# Allegro board belt-box-dvt3-0706pm14.brd (continued)
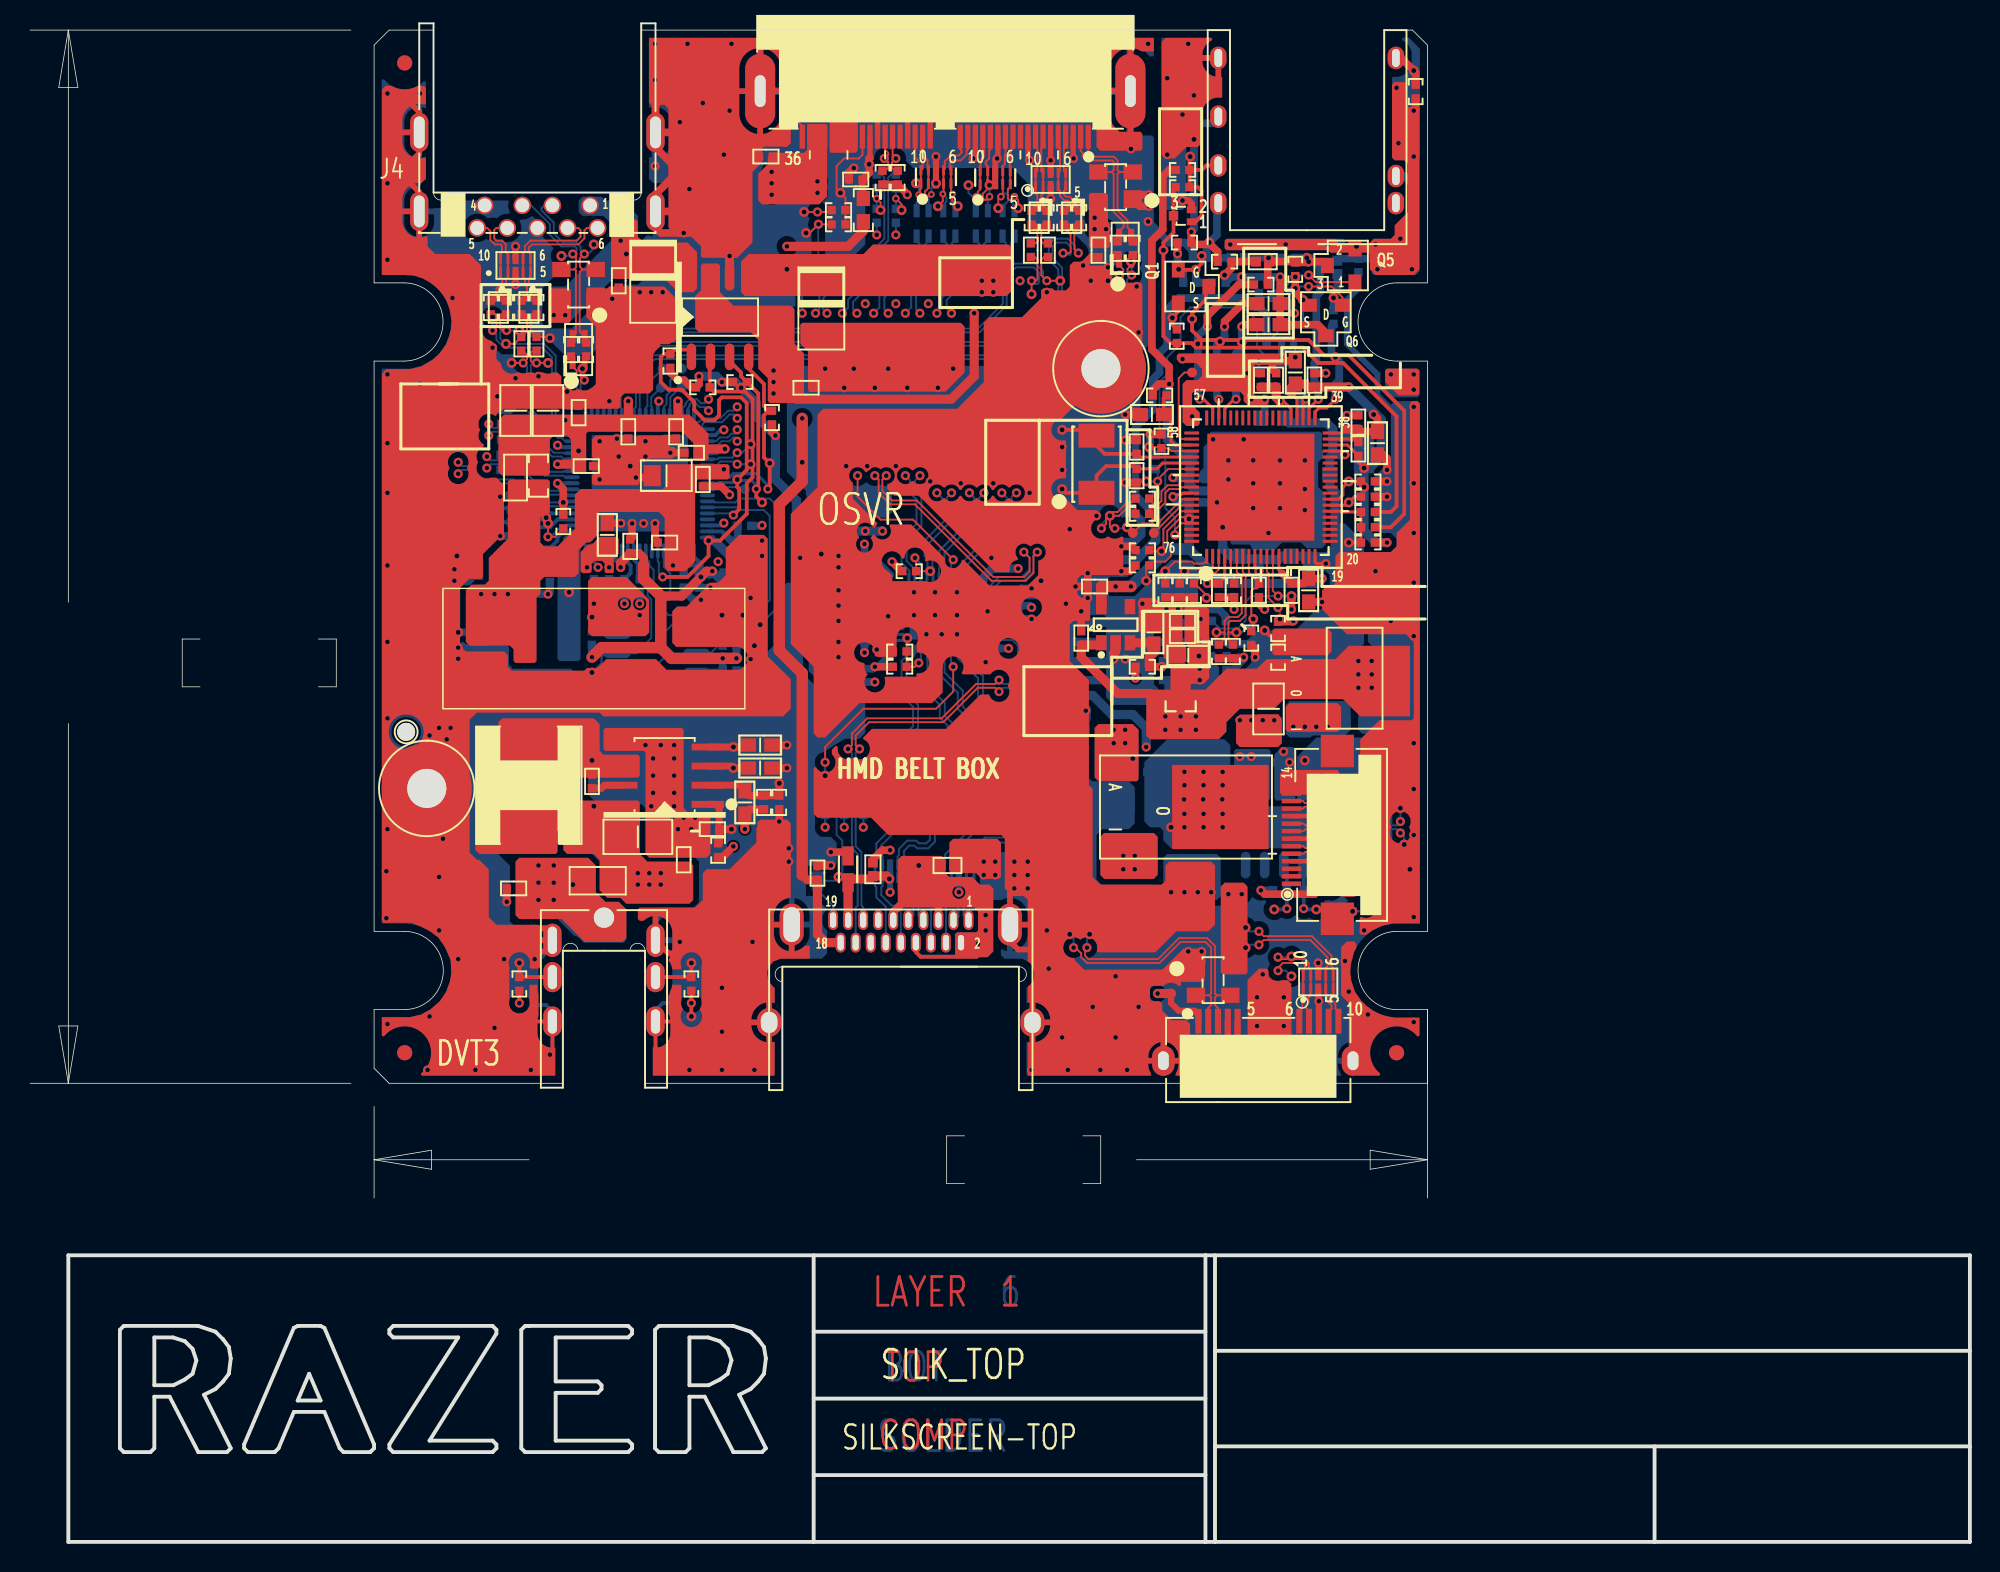
[diagram p0: board, top side]
## Routing (per net, layer and track width the routed paths; a pad name or vN(x,y) marks a point on that pad's centre or on a via; arc(x,y) is an arc through that point) (continued)
HUB_RXP4: length 81.6
  IN2 w0.127: v1(91.06,47.12) 90.8,47.37 90.32,47.37 89.92,47.77 89.92,49.93 86.76,53.09 80.29,53.09 77.11,56.26 69.11,56.26 68.71,56.66 68.71,57.15 69.09,57.53 70.85,57.53 71.1,57.78 71.1,58.08 70.89,58.29 68.33,58.29 67.94,58.67 67.94,59.18 68.33,59.56 73.84,59.56 74.04,59.77 74.04,60.22 73.81,60.45 68.45,60.45 67.69,61.21 67.69,66.06 66.19,67.56 59.08,67.56 57.81,68.83 52.85,68.83 50.19,71.5 49.55,71.5 47.65,73.41 47.24,73.41 v1(46.99,73.15)
  BOTTOM w0.127: v2(91.31,46.36) 91.31,46.86 v1(91.06,47.12) 90.8,47.37 90.53,47.37 90.25,47.09 R95.1 ; v1(46.99,73.15) 46.99,73.28 46.86,73.41 46.71,73.41 46.46,73.15 45.95,73.15 45.55,72.76 U7.42
HUB_TX1_CON_N: length 9.3
  TOP w0.127: R48.2 32.7,82.5 L6.4 33.02,82.82 33.02,83.43 32.89,83.55 32.89,83.94 32.76,84.07 U10.4 U10.7 32.76,85.6 32.88,85.72 32.88,86.13 33.24,86.49 36.32,86.49 36.58,86.75 36.58,87.17 36.43,87.33 J4.8
HUB_TX1_CON_P: length 9.3
  TOP w0.127: R50.2 33.59,82.5 L6.1 33.27,82.82 33.27,83.53 33.15,83.66 33.15,83.95 33.26,84.06 U10.5 U10.6 33.26,85.6 33.14,85.72 33.14,86.02 33.34,86.23 36.43,86.23 36.84,86.64 36.84,87.17 36.99,87.33 J4.9
HUB_TX2_CON_N: length 5.3
  TOP w0.127: R11.2 67.5,88.47 L2.1 67.19,88.77 67.19,89.49 67.32,89.61 U4.2 U4.9 67.19,91.11 67.19,92.58 67.32,92.71 J2.7
HUB_TX2_CON_P: length 5.3
  TOP w0.127: J2.8 66.81,92.71 66.94,92.59 66.94,91.11 U4.10 U4.1 66.82,89.61 66.94,89.49 66.94,88.8 L2.4 66.61,88.47 R19.2
HUB_TX4_CON_N: length 6.3
  TOP w0.127: v1(85.98,46.36) 85.74,46.12 84.75,46.12 84.63,46.24 J23.6
  BOTTOM w0.127: v1(85.98,46.36) 86.23,46.1 86.49,46.1 86.62,46.24 U22.7 U22.4 87.75,46.24 87.88,46.1 88.39,46.1 88.9,45.59 89.1,45.59 89.33,45.82 R92.2
HUB_TX4_CON_P: length 6.3
  TOP w0.127: J23.5 84.63,45.74 84.75,45.86 85.66,45.86 v1(85.98,45.59)
  BOTTOM w0.127: v1(85.98,45.59) 86.23,45.85 86.49,45.85 86.6,45.74 U22.6 U22.5 87.8,45.85 88.29,45.85 88.79,45.34 89.15,45.34 89.33,45.16 R93.2
HUB_TXN1: length 10.3
  TOP w0.127: v2(32,78.36) v1(32.77,78.36) 33.02,78.61 33.02,78.89 32.74,79.17 C45.1
  BOTTOM w0.127: v1(32.77,78.36) 33.02,78.11 33.02,75.18 33.78,74.42 33.78,73.05 34.69,72.14 35.31,72.14 35.48,71.96 U7.14
HUB_TXN2: length 40.9
  TOP w0.127: C16.1 67.39,85.39 67.2,85.2 67.2,84.19 v1(67.56,83.82) v2(68.45,83.82)
  BOTTOM w0.127: U7.22 37.71,75.44 37.73,75.46 37.73,78.5 39.88,80.64 62.99,80.64 64.64,82.3 64.64,84.2 65.41,84.96 66.8,84.96 67.31,84.45 67.31,84.07 v1(67.56,83.82)
HUB_TXN3: length 3.6
  BOTTOM w0.127: TP7.1 41.27,77.22 41.27,76.71 41.02,76.45 41.02,75.49 40.91,75.38 U7.30
HUB_TXN4: length 80.1
  IN2 w0.127: v1(88.77,42.16) 88.52,42.42 87.35,42.42 86.21,41.27 82.57,41.27 82.19,41.66 72.79,41.66 69.6,44.85 69.6,52.6 65.79,56.41 65.79,59.56 64.26,61.09 64.26,62.23 62.1,64.39 55.88,64.39 53.47,66.8 50.69,66.8 48.66,68.83 45.21,68.83 43.81,70.23 43.81,73.79 44.7,74.68 45.72,74.68 46.1,75.06 46.61,75.06 v1(46.99,75.44)
  BOTTOM w0.127: v2(87.88,41.91) 88.52,41.91 v1(88.77,42.16) 89.03,42.42 89.67,42.42 90.05,42.04 90.81,42.04 91.19,42.42 91.19,42.72 C98.1 ; v1(46.99,75.44) 46.74,75.18 46.38,75.18 45.87,74.68 44.7,74.68 44.48,74.45 44.22,74.45 44.11,74.56 U7.38
HUB_TXP1: length 10.3
  TOP w0.127: v2(34.42,78.36) v1(33.66,78.36) 33.4,78.36 33.27,78.49 33.27,79.04 33.4,79.17 C46.1
  BOTTOM w0.127: U7.15 35.47,72.36 35.43,72.39 34.8,72.39 34.04,73.15 34.04,74.53 33.27,75.29 33.27,78.21 33.43,78.36 v1(33.66,78.36)
HUB_TXP2: length 40.9
  TOP w0.127: C17.1 66.75,85.39 66.94,85.2 66.94,83.91 66.85,83.82 v1(66.55,83.82) v2(66.55,82.93)
  BOTTOM w0.127: v1(66.55,83.82) 66.75,83.62 66.95,83.62 67.06,83.72 67.06,84.35 66.7,84.71 65.51,84.71 64.9,84.1 64.9,82.19 63.1,80.39 39.98,80.39 37.99,78.39 37.99,75.45 38.11,75.33 U7.23
HUB_TXP3: length 2.1
  BOTTOM w0.127: U7.31 41.31,75.44 41.27,75.48 41.27,76.07 TP8.1
HUB_TXP4: length 80.1
  IN2 w0.127: v1(46.99,74.68) 46.86,74.8 46.21,74.8 45.83,74.42 44.81,74.42 44.07,73.68 44.07,70.34 45.32,69.09 48.77,69.09 50.8,67.06 53.57,67.06 55.99,64.64 62.21,64.64 64.52,62.34 64.52,61.19 66.04,59.67 66.04,56.52 69.85,52.7 69.85,44.96 72.9,41.91 82.3,41.91 82.68,41.53 86.11,41.53 87.25,42.67 88.65,42.67 88.77,42.8 v1(88.77,43.13)
  BOTTOM w0.127: C99.1 90.42,43.31 90.53,43.41 90.83,43.41 90.93,43.31 90.93,42.52 90.7,42.29 90.16,42.29 89.78,42.67 88.9,42.67 88.77,42.8 v1(88.77,43.13) 88.6,43.31 v2(87.88,43.31) ; v1(46.99,74.68) 46.74,74.93 46.48,74.93 45.97,74.42 44.81,74.42 44.68,74.29 44.68,74.04 44.76,73.96 U7.39
I2C_CLT_EN: length 3.8
  TOP w0.127: v2(58.29,60.07) 58.24,60.02 R23.1 R16.2 58.8,58.17 v1(59.05,58.42)
  BOTTOM w0.127: v1(59.05,58.42) 59.2,58.56 U1.8
I2C_CSN: length 5.7
  TOP w0.127: R63.1 81.28,60.66 v2(81.28,61.34) 81.15,61.47 81.15,63.2 81.33,63.37 81.53,63.37 81.66,63.5 C94.2 81.66,63.75 80.99,64.43 U11.8
I2C_EN: length 1.9
  TOP w0.127: R67.2 80.01,64.17 79.79,64.4 U11.5
I2C_SCL: length 7.5
  TOP w0.127: U11.6 80.19,64.46 80.52,64.14 80.52,61.72 80.26,61.47 79.63,61.47 79.38,61.21 79.38,60.45 ; 79.38,60.45 v2(78.84,60.45) ; 79.38,60.45 79.38,60.02 R66.2
I2C_SDA: length 7.4
  TOP w0.127: 79.63,60.45 79.63,59.94 R65.2 ; 79.63,60.45 79.63,61.09 79.76,61.21 80.39,61.21 80.77,61.59 80.77,64.26 80.59,64.45 U11.7 ; 79.63,60.45 v2(80.16,60.45)
ISET: length 6.7
  BOTTOM w0.178: 64.82,62.74 66.93,62.74 67.18,62.99 v2(67.18,63.88) ; 64.82,62.74 R17.2 64.21,62.23 64.01,62.43 63.23,62.43 63.12,62.32 U1.34 ; 64.82,62.74 R24.1
MIC1_L: length 7.7
  TOP w0.203: U11.54 79.39,75.32 80.01,75.95 v1(80.14,75.95)
  TOP w0.508: v1(80.52,80.77) 80.64,80.9 C77.2
  BOTTOM w0.508: v1(80.52,80.77) v2(80.52,79.76) 80.52,79.38 80.14,78.99 v1(80.14,75.95)
MIC1_MIX: length 10.2
  TOP w0.508: Q6.D 85.57,80.9 C77.1 C78.1 v1(83.07,84.07)
  BOTTOM w0.508: v1(83.07,84.07) v2(80.52,84.07) 79.83,84.07 R82.1
MIC1_MIX_FB: length 2.7
  TOP w0.508: FB1.2 R75.1 79.83,84.66 v2(79.38,84.2)
MIC1_MIX_R: length 5.6
  TOP w0.508: R74.1 82.25,84.97 FB1.1 84.02,85.09 R77.1 84.91,85.04 v2(84.96,85.09) 85.95,85.09 Q5.3
MIC1_R: length 9.3
  TOP w0.203: U11.55 78.99,74.71 v1(78.99,75.95)
  TOP w0.508: v1(79.38,80.77) 79.38,81.11 80.56,82.3 C78.2
  BOTTOM w0.508: v1(78.99,75.95) 78.87,76.07 78.87,79.58 v2(79.07,79.78) 79.38,80.09 v1(79.38,80.77)
MIC1_VREFOUT_L: length 11.6
  TOP w0.203: v1(77.72,75.95) 77.98,75.95 78.59,75.34 U11.56
  TOP w0.508: v1(78.23,80.77) 78.23,81.48 80.31,83.57 R74.2
  BOTTOM w0.508: v1(78.23,80.77) 77.6,80.14 v2(77.6,79.63) 77.6,76.07 v1(77.72,75.95)
MIC1_VREFOUT_R: length 5.8
  TOP w0.127: TP3.1 76.71,77.72 76.33,77.34 76.33,73.48 76.5,73.3 U11.59
MIC_JD#: length 28.8
  TOP w0.254: Q1.D 78.13,82.58 77.22,81.66 v2(77.22,81.28) 77.22,80.52 77.85,79.88 84.96,79.88 85.98,78.87 87.63,78.87 91.31,75.18 91.31,68.33 90.42,67.44 R70.2
MIC_MIX: length 12.5
  TOP w0.508: v1(77.17,87.07) R76.1 77.29,86.23 78.44,86.23 78.92,85.75 R75.2
  BOTTOM w0.508: v1(77.17,87.07) 77.34,87.25 v2(77.34,93.22) R78.2 78.51,94.28 J6.4
NVMCLK: length 13.9
  TOP w0.127: U11.11 82.19,64.5 82.3,64.39 82.3,62.74 v1(82.93,62.1)
  BOTTOM w0.127: v2(83.06,61.34) 83.06,61.98 v1(82.93,62.1) 82.55,62.48 81.41,62.48 81.15,62.23 81.15,61.09 80.39,60.33 79.04,60.33 R283.1 78.03,60.33 77.22,60.33 76.71,59.82 75.88,59.82
NVMDAT: length 12.9
  TOP w0.127: U11.12 82.59,64.73 82.58,64.72 82.58,63.22 v1(82.93,62.86)
  BOTTOM w0.127: v2(83.82,62.86) v1(82.93,62.86) 81.15,62.86 80.77,62.48 80.77,61.21 80.26,60.71 79.04,60.71 R282.1 78.03,60.71 77.22,60.71 76.84,61.09 U13.5
OVCUR1#: length 22.8
  TOP w0.254: U8.2 45.16,78.71 R44.2 45.44,76.45 47.5,76.45 48.01,75.95 48.01,70.74 47.62,70.36 47.62,68.33 45.85,66.55 v2(45.09,66.55) 45.09,65.53 43.69,64.14 v1(42.04,64.14)
  BOTTOM w0.127: U7.64 41.71,65.15 41.78,65.08 41.78,64.39 v1(42.04,64.14)
OVCUR2#: length 14.4
  TOP w0.254: v2(48.64,69.09) 48.26,69.47 v1(48.26,69.98) 48.39,70.1 48.39,76.33 R43.2 47.24,77.47 47.24,77.72 46.48,78.49 U8.3
  BOTTOM w0.203: v1(48.26,69.98) 48.26,70.23 47.94,70.55 46.93,70.55 46.79,70.41 45.77,70.41 45.72,70.36 U7.48
OVCUR4#: length 62.2
  IN1 w0.254: v1(46.1,67.72) 46.74,67.08 46.74,61.98 51.82,56.9 51.82,47.24 52.32,46.74 56.39,46.74 57.02,47.37 68.33,47.37 73.53,42.16 83.44,42.16 v1(83.52,42.09)
  BOTTOM w0.254: U7.55 45.94,67.56 v1(46.1,67.72) ; U20.2 83.52,44.78 R83.2 v1(83.52,42.09) 83.46,42.04 v2(82.68,42.04)
P_SPI_CK: length 17.9
  BOTTOM w0.127: 44.3,60.33 45.34,60.33 45.52,60.5 48.06,60.5 v2(48.51,60.96) 49.78,62.23 49.78,68.71 49.15,69.34 47.12,69.34 46.86,69.09 45.49,69.09 45.42,69.16 U7.51
P_SPI_CZ: length 23.1
  BOTTOM w0.127: U6.1 41.15,57.78 42.16,58.8 42.16,60.45 42.67,60.96 46.74,60.96 v2(47.37,61.59) 48.13,61.59 49.15,62.61 49.15,68.2 48.77,68.58 47.3,68.58 47.12,68.76 U7.52
P_SPI_DI: length 11.2
  BOTTOM w0.127: U7.67 40.51,65.41 40.77,65.15 40.77,64.64 41.04,64.37 41.04,62.86 41.27,62.63 41.27,60.07 40.26,59.05 U6.2 38.23,59.05 37.97,58.8 37.97,58.42 v2(37.34,57.78)
P_SPI_DO: length 8.4
  BOTTOM w0.127: v2(45.97,61.59) U6.5 42.42,61.59 41.78,62.23 41.78,62.86 41.43,63.21 41.43,64.61 41.15,64.9 41.15,65.15 40.91,65.39 U7.66
PGANG: length 1.6
  BOTTOM w0.254: R37.1 43.31,64.46 U7.60
PRE: length 5.5
  BOTTOM w0.127: R15.2 53.42,61.72 55.12,61.72 55.45,62.05 R22.1 56.01,62.23 56.21,62.03 57.3,62.03 57.4,61.92 U1.16
PSELF: length 2
  BOTTOM w0.254: R33.2 40.39,64.11 40.39,65.02 40.11,65.3 U7.68
PWREN1#: length 22.4
  TOP w0.254: U8.1 43.94,79.12 43.81,79.25 42.85,79.25 R45.2 42.11,78.94 41.91,78.74 41.91,77.09 42.42,76.58 43.31,76.58 44.13,75.76 44.13,75.25 44.83,74.55 45.47,74.55 45.78,74.87 45.78,75.88 45.97,76.07 47.24,76.07 47.62,75.69 47.62,71.25 v2(46.99,70.61) 46.99,70.1 47.12,69.98 47.12,68.63 v1(46.74,68.25)
  BOTTOM w0.127: U7.53 46.63,68.36 v1(46.74,68.25)
PWREN2#: length 14.6
  TOP w0.254: v1(49.02,69.98) 49.15,70.1 v2(49.15,71.69) 48.77,72.07 48.77,74.88 49.07,75.18 ; U8.4 47.75,77.98 48.77,76.96 48.77,75.49 49.07,75.18 ; 49.07,75.18 R42.2
  BOTTOM w0.203: U7.47 46.48,70.76 46.72,70.99 48.26,70.99 49.02,70.23 v1(49.02,69.98)
PWREN3#: length 2.6
  BOTTOM w0.127: U7.49 45.95,69.96 46.09,70.1 47.37,70.1 TP6.1
PWREN4#: length 71
  IN1 w0.254: v1(37.74,64.77) 37.74,64.36 38.1,64.01 41.02,64.01 44.7,60.33 47.5,60.33 51.05,56.77 51.05,45.97 52.7,44.32 55.63,44.32 56.52,45.21 57.4,45.21 59.05,46.86 68.07,46.86 73.66,41.27 82.17,41.27 82.55,40.89 83.44,40.89 v1(84.63,42.09)
  BOTTOM w0.254: U20.1 84.63,44.93 R81.2 v1(84.63,42.09) 84.68,42.04 v2(85.47,42.04) ; U7.75 37.31,65.3 37.74,64.87 v1(37.74,64.77)
RESET#: length 4.2
  BOTTOM w0.254: U7.69 39.71,65.09 39.91,64.89 39.91,64.39 R35.2 R40.1 C40.1
RST_N: length 4.8
  TOP w0.203: U11.60 76.07,72.9 75.82,73.15 75.82,74.43 C50.1
  TOP w0.254: C50.1 75.32,76.01 R54.1
RTERM: length 4
  TOP w0.127: R38.1 34.87,66.8 v1(34.42,66.8) v2(34.42,67.69)
  BOTTOM w0.127: v1(34.42,66.8) 34.59,66.8 35.35,67.56 U7.3
SENSE_A: length 4.9
  TOP w0.203: U11.25 87.25,68.5 87.3,68.45 R71.1 R70.1 R69.2
  TOP w0.254: v2(87.63,66.42) R69.2
SW:
  vias: v2(35.81,63.12)
SYNC: length 97.3
  TOP w0.127: v1(50.93,95.12) 50.93,94.49 51.31,94.1 J2.36
  TOP w0.254: v2(43.94,34.92) v1(43.94,35.81) R383.2 ; R382.2 v1(32.51,35.81)
  IN1 w0.254: v1(50.93,95.12) 50.93,94.11 47.62,90.81 47.62,85.47 39.05,76.9 38.67,76.9 37.85,76.07 37.85,75.56 36.2,73.91 36.2,64.39 37.08,63.5 37.97,63.5 38.73,62.74 38.73,61.34 40.13,59.94 42.55,59.94 48.26,54.23 48.26,45.21 44.83,41.78 43.94,41.78 ; 43.94,41.78 42.93,42.8 36.96,42.8 36.07,41.91 33.02,41.91 32.51,41.4 v1(32.51,35.81) ; 43.94,41.78 v1(43.94,35.81)
SYNC3: length 3.1
  TOP w0.254: J3.3 34.35,37.54 R382.1 v2(32.51,38.48)
SYNC4: length 3.3
  TOP w0.254: J3.4 41.92,37.54 R383.1 v2(43.94,38.48)
TMDS_GND: length 11.6
  TOP w0.254: 63.37,39.37 62.89,38.89 59.18,38.89 58.86,39.21 J1.8
  TOP w0.508: J1.11 57.36,41.87 57.91,42.42 ; 60.36,42.26 J1.5
  BOTTOM w0.254: 61.98,38.99 61.9,38.91 59.16,38.91 58.86,39.21 J1.8
  vias: v1(62.99,39.75) v1(63.5,41.66) v1(63.5,40.64) v2(59.05,44.96)
USB1+: length 13.6
  TOP w0.127: 36.14,84.57 36.21,84.57 36.27,84.51 36.27,80.32 L7.2 36.05,79.81 R51.1 ; 36.14,84.57 36.28,84.71 36.28,85.39 v1(36.07,85.6) ; 36.14,84.57 U9.3
  BOTTOM w0.127: v2(35.31,85.47) 35.94,85.47 v1(36.07,85.6) 36.32,85.85 36.32,85.98 36.2,86.11 35.31,86.11 34.54,86.87 34.54,87.58 33.29,88.83 J4.3
USB1-: length 13.8
  TOP w0.127: R49.1 36.85,79.81 L7.4 36.53,80.42 36.53,84.4 36.69,84.57 36.72,84.57 ; 36.72,84.57 U9.2 ; 36.72,84.57 36.53,84.75 36.53,85.3 v1(36.83,85.6)
  BOTTOM w0.127: J4.2 34.17,88.83 33.99,88.65 33.99,88.49 34.8,87.68 34.8,86.97 35.41,86.36 36.3,86.36 36.58,86.08 36.58,85.85 v1(36.83,85.6) 37.08,85.6 37.47,85.98 v2(37.47,86.23)
USB2+: length 10.3
  TOP w0.127: R26.1 72.26,86.72 L3.2 72.37,87.1 72.67,87.4 72.67,87.73 72.01,88.39 72.01,90.91 71.87,91.05 ; J2.2 69.81,92.44 69.94,92.32 69.94,92.09 70.21,91.81 71.91,91.81 72.01,91.72 72.01,91.19 71.87,91.05 ; 71.87,91.05 U5.3
USB2-: length 10.3
  TOP w0.127: J2.1 70.32,92.44 70.19,92.32 70.19,92.19 70.32,92.07 72.02,92.07 72.26,91.82 72.26,91.17 72.39,91.05 ; 72.39,91.05 72.38,91.05 72.26,90.93 72.26,88.5 72.92,87.84 72.92,87.37 73.17,87.12 L3.4 73.28,86.72 R20.1 ; 72.39,91.05 U5.2
USB2.0_D+: length 87
  TOP w0.127: U18.3 78.88,36.33 ; 78.88,36.33 78.74,36.2 78.74,35.68 78.94,35.48 J5.3 ; 78.88,36.33 78.85,36.33 78.74,36.45 78.74,39.6 78.21,40.13 76.35,40.13 74.95,38.73 70.34,38.73 70.1,38.97 70.1,39.37 v1(70.23,39.5)
  IN2 w0.127: v1(28.45,71.75) 28.7,71.5 29.08,71.5 30.1,70.48 31.86,70.48 33.63,68.71 36.7,68.71 38.73,66.67 39.62,66.67 40.89,65.41 40.89,63.73 44.68,59.94 48.11,59.94 53.95,54.1 64.13,54.1 67.18,51.05 67.18,43.31 69.98,40.51 69.98,39.75 v1(70.23,39.5)
  BOTTOM w0.127: v1(28.45,71.75) 28.7,71.5 29.21,71.5 30.1,70.61 32.13,70.61 33.66,69.08 35.43,69.08 35.51,69.16 U7.7 ; v1(70.23,39.5) 70.23,40.21 v2(70.41,40.39)
USB2.0_D-: length 87
  TOP w0.127: 78.35,36.33 78.37,36.33 78.49,36.45 78.49,39.5 78.1,39.88 76.45,39.88 75.06,38.48 70.23,38.48 69.85,38.86 69.85,39.12 69.47,39.5 v1(69.34,39.5) ; 78.35,36.33 78.49,36.2 78.49,35.68 78.29,35.48 J5.2 ; 78.35,36.33 U18.2
  IN2 w0.127: v1(28.45,70.99) 28.7,71.25 28.98,71.25 29.99,70.23 31.75,70.23 33.53,68.45 36.6,68.45 38.63,66.42 39.52,66.42 40.64,65.3 40.64,63.63 44.58,59.69 48.01,59.69 53.85,53.85 64.03,53.85 66.93,50.95 66.93,43.2 69.72,40.41 69.72,39.62 69.6,39.5 v1(69.34,39.5)
  BOTTOM w0.127: U7.6 35.51,68.76 35.43,68.83 33.55,68.83 32.03,70.36 29.99,70.36 29.1,71.25 28.7,71.25 v1(28.45,70.99) ; v2(69.09,40.39) 69.34,40.13 v1(69.34,39.5)
USB3.0_RXN: length 83
  TOP w0.127: v1(81.66,39.69) 81.98,40.01 85.08,40.01 86.22,38.86 86.22,38.28 86.1,38.16 U19.7 U19.4 86.1,36.44 86.22,36.32 86.22,35.93 86.49,35.66 86.49,35.43 86.29,35.24 J5.9
  IN2 w0.127: v1(30.48,73.53) 30.73,73.79 32.64,73.79 34.29,72.14 36.45,72.14 37.34,71.25 40.77,71.25 45.97,66.04 46.38,66.04 48.92,63.5 48.92,61.47 54.76,55.63 64.92,55.63 68.71,51.84 68.71,44.34 72.54,40.51 78.25,40.51 78.63,40.13 81.25,40.13 81.66,39.73 v1(81.66,39.69)
  BOTTOM w0.127: v1(81.66,39.69) 80.96,39.69 v2(80.77,39.5) ; v1(30.48,73.53) 30.73,73.79 31.12,73.79 31.29,73.61 R28.1
USB3.0_RXN_R: length 6
  BOTTOM w0.127: U7.11 35.54,70.76 35.43,70.87 34.18,70.87 33.78,71.27 33.78,71.78 32.89,72.67 32.89,73.43 32.66,73.66 32.38,73.66 32.21,73.48 R28.2
USB3.0_RXP: length 83
  TOP w0.127: v1(81.66,40.58) 81.98,40.26 85.18,40.26 86.48,38.97 86.48,38.28 86.6,38.16 U19.6 U19.5 86.6,36.45 86.48,36.33 86.48,36.03 86.74,35.77 86.74,35.43 86.94,35.23 J5.10
  IN2 w0.127: v1(81.66,40.58) 81.47,40.39 78.74,40.39 78.36,40.77 72.64,40.77 68.96,44.45 68.96,51.94 65.02,55.88 54.86,55.88 49.17,61.57 49.17,63.61 46.48,66.29 46.08,66.29 40.87,71.5 37.44,71.5 36.55,72.39 34.4,72.39 32.74,74.04 30.73,74.04 v1(30.48,74.3)
  BOTTOM w0.127: v1(81.66,40.58) 81.02,40.58 v2(80.77,40.83) ; R27.1 31.04,74.04 30.73,74.04 v1(30.48,74.3)
USB3.0_RXP_R: length 6
  BOTTOM w0.127: U7.12 35.47,71.16 35.43,71.12 34.29,71.12 34.04,71.37 34.04,71.88 33.15,72.77 33.15,73.53 32.77,73.91 32.33,73.91 32.21,74.04 R27.2
USB3.0_TXN: length 82.3
  TOP w0.127: v1(82.93,37.97) 82.93,38.16 83.25,38.48 84.6,38.48 84.72,38.36 84.72,38.1 84.6,37.97 U19.10 U19.1 84.6,36.32 84.71,36.21 84.71,35.98 84.54,35.81 84.54,35.52 84.34,35.32 J5.6
  IN2 w0.127: v1(30.35,71.37) 30.61,71.63 32.26,71.63 34.42,69.47 40.66,69.47 43.56,66.57 43.56,62.25 45.23,60.58 48.51,60.58 54.36,54.74 64.54,54.74 67.82,51.46 67.82,43.71 73.17,38.35 82.73,38.35 82.93,38.15 v1(82.93,37.97)
  BOTTOM w0.127: C19.2 31.27,71.5 31.14,71.63 30.61,71.63 v1(30.35,71.37) ; v2(83.82,37.59) 83.44,37.97 v1(82.93,37.97)
USB3.0_TXN_R: length 5.3
  BOTTOM w0.127: C19.1 32.18,71.42 32.38,71.63 32.61,71.63 32.89,71.34 32.89,70.76 34.05,69.61 35.43,69.61 35.48,69.56 U7.8
USB3.0_TXP: length 82.2
  TOP w0.127: v1(82.93,38.86) 83.06,38.73 84.71,38.73 84.97,38.47 84.97,38.1 85.1,37.98 U19.9 U19.2 85.1,36.33 84.96,36.2 84.96,35.88 84.79,35.71 84.79,35.48 84.99,35.28 J5.7
  IN2 w0.127: v1(82.93,38.86) 82.68,38.61 73.28,38.61 68.07,43.81 68.07,51.56 64.64,54.99 54.46,54.99 48.62,60.83 45.34,60.83 43.81,62.36 43.81,66.67 40.77,69.72 34.52,69.72 32.36,71.88 30.61,71.88 v1(30.35,72.14)
  BOTTOM w0.127: v2(83.82,38.91) 83.77,38.86 v1(82.93,38.86) ; C18.2 31.27,72.01 31.14,71.88 30.61,71.88 v1(30.35,72.14)
USB3.0_TXP_R: length 5.3
  BOTTOM w0.127: U7.9 35.53,69.96 35.43,69.86 34.15,69.86 33.15,70.87 33.15,71.45 32.72,71.88 32.44,71.88 32.18,72.14 C18.1
USB3_TX1_C_N: length 3.1
  TOP w0.127: R48.1 32.7,81.58 L6.3 32.87,81.3 33.02,81.15 33.02,80.47 C45.2 32.18,79.63 v2(31.62,79.63)
USB3_TX1_C_P: length 2.8
  TOP w0.127: R50.1 33.59,81.58 L6.2 33.42,81.3 33.27,81.15 33.27,80.47 C46.2 34.47,80.09 v2(34.54,80.01)
USB3_TX2_C_N: length 1.8
  TOP w0.127: C16.2 67.34,86.31 67.2,86.45 67.2,87.25 L2.2 67.5,87.55 R11.1
USB3_TX2_C_P: length 1.8
  TOP w0.127: R19.1 66.61,87.55 L2.3 66.94,87.23 66.94,86.45 66.8,86.31 C17.2
USB3_TX4_C_N: length 3.8
  BOTTOM w0.127: v2(91.69,44.7) 91.69,44.15 C98.2 91.24,43.89 91.06,44.07 91.06,45.47 90.78,45.75 90.47,45.75 R92.1
USB3_TX4_C_P: length 3.9
  BOTTOM w0.127: R93.1 90.25,45.39 90.35,45.49 90.68,45.49 90.8,45.36 90.8,43.97 90.73,43.89 C99.2 89.46,43.89 v2(89.41,43.94)
USB4+: length 3.5
  TOP w0.127: J23.11 84.58,48.74 84.7,48.86 85.76,48.86 v1(85.98,48.65)
  BOTTOM w0.127: v1(85.98,48.65) 86.1,48.77 86.11,48.77 86.24,48.89 86.61,48.89 86.79,48.72 R91.1
USB4-: length 3.5
  TOP w0.127: v1(85.98,49.4) 85.69,49.12 84.7,49.12 84.58,49.24 J23.12
  BOTTOM w0.127: v1(85.98,49.4) 86.23,49.15 86.56,49.15 86.79,49.38 R90.1
USB_DET: length 5.2
  TOP w0.127: U11.64 75.62,71.3 74.93,70.61 v1(74.93,70.48)
  BOTTOM w0.127: R62.2 74.93,71.17 v1(74.93,70.48) ; v1(74.93,70.48) v2(74.17,70.48) ; v1(74.93,70.48) 74.93,69.8 R61.1
USB_PWR1:
  vias: v1(34.8,81.53) v1(35.56,81.53) v1(39.24,87.5) v1(39.24,86.49) v1(39.88,87) v2(39.62,85.6)
USB_PWR2:
  vias: v1(63.25,83.82) v1(63.25,83.06) v1(64.01,83.82) v1(64.01,83.06) v1(70.74,88.01) v1(70.74,87.25) v1(71.5,87.25) v2(50.29,84.58)
USB_PWR4:
  vias: v1(85.34,50.04) v1(85.85,50.93) v1(86.61,50.42) v2(84.71,51.94)
USBP1N_R: length 4.1
  TOP w0.127: R53.2 74.37,68.58 74.5,68.71 75.06,68.71 75.44,69.09 75.44,69.72 75.69,69.98 76.43,69.98 76.56,70.1 U11.67
USBP1P_R: length 4.1
  TOP w0.127: U11.66 76.5,70.5 76.38,70.38 76.38,70.28 76.33,70.23 75.59,70.23 75.18,69.83 75.18,69.19 74.95,68.96 74.68,68.96 74.37,69.27 R52.2
VOLT_MON: length 2.8
  TOP w0.203: R73.2 v2(87.63,70.48) 87.23,70.09 87.23,69.58 86.96,69.3 U11.27
VOLUME: length 2.3
  TOP w0.203: U11.26 87.45,68.9 v2(87.63,69.09) 88.01,69.47 R72.2
WP: length 3.8
  BOTTOM w0.127: U13.7 76.89,58.55 77.22,58.88 v2(77.67,58.88) R80.1 R99.2
X1: length 10.1
  BOTTOM w0.254: U7.4 35.06,67.96 34.54,67.44 33.22,67.44 R39.1 32.92,67.36 32.51,67.77 C39.1 31.48,67.77 31.31,67.95 29.08,67.95 28.36,67.22 Y1.1 28.36,65.7 v2(28.36,65.53)
X2: length 6.7
  BOTTOM w0.254: U7.5 34.58,68.36 v2(34.29,68.07) 34.16,67.95 33.48,67.95 R39.2 32.79,68.63 C41.1 32,68.71 30.4,68.71 Y1.3
XTALIN: length 9.8
  TOP w0.203: U11.62 73.74,72.1 C47.1
  TOP w0.254: v2(68.58,73.91) 70.48,73.91 Y2.2 70.87,72.85 71.41,72.31 C47.1
XTALOUT: length 10.3
  TOP w0.203: C51.1 74.88,71.32 75.26,71.7 U11.63
  TOP w0.254: C51.1 73.36,71.5 71.5,71.5 70.87,70.87 Y2.1 68.83,69.73 v2(68.58,69.98)
N16700423: length 7.2
  BOTTOM w0.127: U1.18 56.53,62.72
  BOTTOM w0.254: 56.53,62.72 56.13,63.12 56.13,63.5 55.75,63.88 53.42,63.88 52.78,64.52 R4.1 52.72,65.52 v2(52.58,65.66)
N16708492: length 1
  TOP w0.254: v2(82.04,60.58) 82.37,60.25 R8.1
N16709232:
  vias: v1(72.01,53.98) v1(72.01,53.09) v1(72.77,53.98) v1(72.77,53.09) v2(73.28,52.07)
N16752922: length 4.6
  BOTTOM w0.127: v2(48.13,59.56) 47.62,60.07 46.23,60.07 46.02,59.87 R29.1 45.72,59.56 45.21,59.05 U6.7
N16752926: length 2.7
  BOTTOM w0.127: 39.01,60.33 37.54,60.33 R30.2 v2(37.34,61.47)
N16752974: length 3.2
  BOTTOM w0.127: U7.63 42.11,64.8 42.55,64.36 42.55,62.99 TP5.1
N16792985: length 3.6
  TOP w0.127: U11.2 78.59,64.82 78.41,64.64 76.84,64.64 v2(76.71,64.52) 76.39,64.2 R59.1
N16793019: length 3.1
  TOP w0.203: v2(88.65,71.37) 88.27,71.75 C73.1 87.55,72.9 U11.36
N16793115: length 2
  TOP w0.203: C73.2 88.06,73.3 U11.37
N16793150: length 4.8
  TOP w0.127: TP1.1 73.91,67.69 74.93,67.69 76.54,69.3 U11.69
N16793205: length 3.6
  TOP w0.203: v2(83.06,75.82) 83.28,75.82 83.79,75.31 U11.43
  TOP w0.61: C61.2 C62.1 82.8,76.07 v2(83.06,75.82)
N16793213: length 3.3
  TOP w0.127: TP2.1 76.52,68.9 U11.70
N16793232: length 4.2
  TOP w0.127: v2(78.17,62.74) 78.17,62.93 77.39,63.7 R58.1 78.03,64.39 78.74,64.39 78.99,64.64 U11.3
N16793236: length 4.6
  TOP w0.203: 87.43,73.96 87.17,73.7 U11.38
  TOP w0.508: C72.1 88.43,73.8 C71.1 89.53,74.68 v2(89.28,74.93)
  TOP w0.61: 87.43,73.96 C72.1
N16793242: length 4.7
  TOP w0.127: U11.71 76.5,68.5 75.31,67.31 75.31,65.98 v2(75.18,65.85) 74.43,65.85 R56.1
N16793251: length 4.2
  TOP w0.127: R60.1 v2(75.44,64.52) 76.07,65.15 77.22,65.15 77.34,65.02 77.98,65.02 78.19,65.23 U11.1
N16793299: length 6.6
  TOP w0.127: v2(74.17,63.88) 74.17,64.69 R57.1 74.63,65.15 75.44,65.15 75.82,65.53 75.82,66.17 75.56,66.42 75.56,67.18 76.49,68.1 U11.72
N16793611: length 3
  TOP w0.127: U11.61 75.84,72.5 75.65,72.69 R55.1 75.11,72.77 v2(74.35,72.77)
N16793759: length 4.1
  TOP w0.508: v2(75.18,58.17) R64.1
  TOP w0.61: U12.3 74.59,59.76 C74.2 74.68,59.11 74.37,58.8 R64.1
N16805452: length 2.5
  TOP w0.508: J6.3 91.11,98.63 v2(91.95,97.79) 92.08,97.66 R79.1
N16805614: length 4.1
  TOP w0.254: Q1.G 77.43,84.54 v1(77.47,84.58) 77.85,84.96 v2(77.85,85.47)
  BOTTOM w0.508: R82.2 C95.2 77.47,83.77 v1(77.47,84.58)
N16805639: length 2
  TOP w0.254: R84.2 75.91,80.89 v2(75.91,81.36) 76.3,81.8 Q1.S
N16817726: length 2.8
  TOP w0.457: C83.1 47.61,52.83 v2(46.74,52.83) U14.4
N16817730: length 2.8
  TOP w0.457: C82.1 v2(46.74,51.44) 46.61,51.56 U14.3
N16817738: length 2
  TOP w0.457: C86.1 37.97,50.09 38.18,50.29 U14.7
N16817757:
  vias: v1(40.39,44.45) v1(40.39,43.69) v1(41.15,44.45) v1(41.15,43.69) v1(41.91,44.45) v1(41.91,43.69) v2(37.47,48.89)
N16817767: length 5.8
  TOP w0.457: C91.2 47.13,50.29 U14.2
  TOP w0.508: C91.2 47.82,49.61 R87.2 R88.1 v2(49.78,50.42)
N16817796: length 4
  TOP w0.457: C85.1 45.8,48.77 45.54,49.02 U14.1
  TOP w0.508: v2(46.61,47.37) C85.1 45.8,46.51 R89.2
N16817821:
  vias: v2(37.34,51.94)
N16854855: length 2.4
  TOP w0.508: R77.2 v2(84.07,83.31) 84.07,83.06 84.94,82.19 Q6.S

## Copper pours and planes (outline as drawn; the poured copper is in the pictures)
+3.3V_VDDO on TOP (solid shape): 78.36,61.98 78.36,57.4 77.98,57.02 75.95,57.02 75.82,57.15 75.82,58.17 75.95,58.29 76.84,58.29 76.96,58.42 76.96,59.56 76.71,59.82 76.71,62.1 76.84,62.23 78.1,62.23
+3.3V_VDDO on BOTTOM (solid shape): 88.65,66.42 88.65,59.69 86.36,57.4 83.95,57.4 81.91,55.37 76.33,55.37 76.2,55.5 76.2,56.64 76.33,56.77 76.84,56.77 76.96,56.9 76.96,57.91 77.34,58.29 78.87,58.29 78.99,58.17 78.99,57.66 79.12,57.53 80.26,57.53 81.15,58.42 81.15,59.05 80.9,59.31 80.9,59.82 80.96,59.88 80.9,59.94 81.53,60.58 84.07,60.58 85.47,61.98 86.11,61.98 86.36,62.23 86.36,64.26 86.11,64.52 84.84,64.52 84.58,64.77 84.58,65.66 84.71,65.79 86.11,65.79 86.49,66.17 86.49,67.69 87.38,67.69
+3.3V_VDDO on IN1 (solid shape): outline of 778 points within 74.55,55.37 88.65,77.47
+5V on TOP (solid shape): 87.12,55.5 87.12,54.1 86.87,53.85 83.57,53.85 83.44,53.98 83.44,55.5 83.69,55.75 86.87,55.75
+5V on TOP (solid shape): 74.93,46.86 74.93,44.32 74.68,44.07 71.37,44.07 71.12,44.32 71.12,46.86 71.37,47.12 74.68,47.12
+5V on TOP (solid shape): 35.05,49.78 35.05,45.85 34.92,45.72 29.84,45.72 29.59,45.97 29.59,49.78 29.97,50.16 34.67,50.16
+5V on TOP (solid shape): 80.9,43.56 80.9,37.85 80.77,37.72 79.25,37.72 79.12,37.85 79.12,43.56 79.38,43.81 80.64,43.81
+5V on TOP (solid shape): 39.12,66.67 39.12,65.66 38.79,65.33 38.79,64.44 38.73,64.39 38.25,64.39 38.18,64.47 38.18,65.02 38,65.2 37.52,65.2 37.31,65 37.31,64.49 37.21,64.39 36.7,64.39 36.58,64.52 36.58,65.79 37.08,66.29 37.34,66.29 37.85,66.8 38.99,66.8
